# KiCad board panel.kicad_pcb (continued)
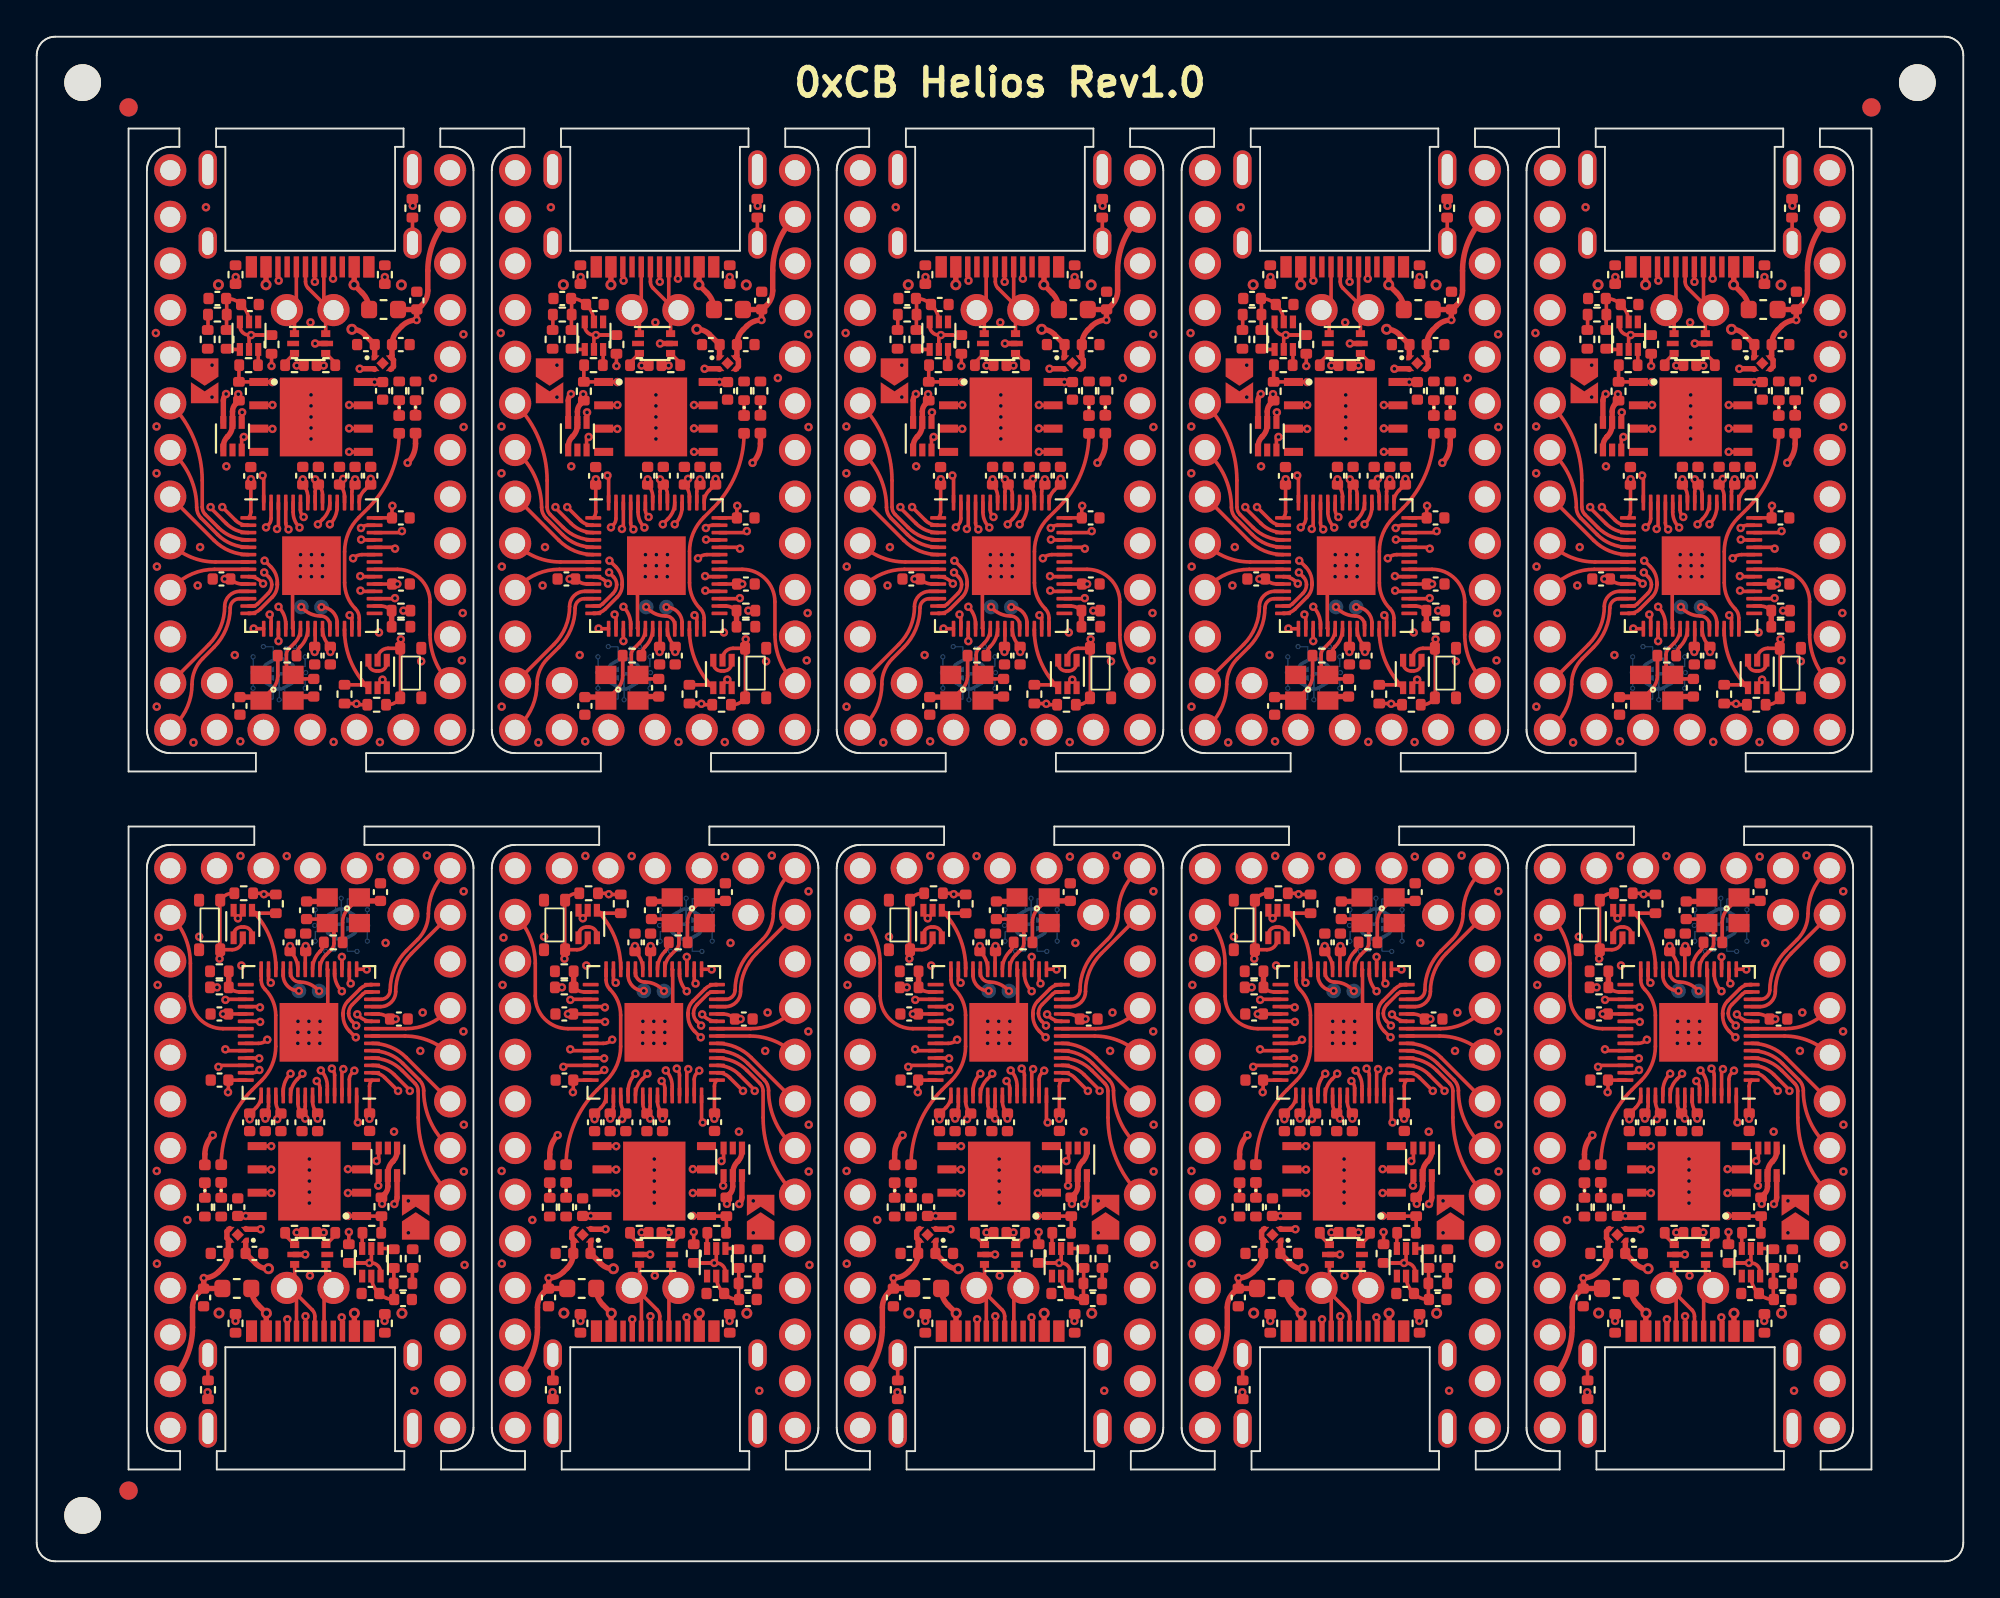
[diagram p0: board, top side]
## Routing (per net, layer and track width the routed paths; a pad name or vN(x,y) marks a point on that pad's centre or on a via; arc(x,y) is an arc through that point) (continued)
Board_9-Net-(J1-PadB5): length 3.7
  Top w0.2: v1(94.06,13.09) 94.08,13.1 R8#2.2 ; v1(91.73,13.29) 91.77,13.25 J1#2.B5
  In1.Cu w0.2: v1(94.06,13.09) 93.96,12.99 92.03,12.99 v1(91.73,13.29)
Board_9-Net-(Q1-Pad5): length 28.5
  Top w0.2: Q1#2.6 85.84,35.26 v1(86.08,35.02) 86.34,35.29 Q1#2.5 ; 92.59,16.25 93.34,16.25 arc(93.69,16.1) 93.84,15.75 Q2#9.6 ; 92.59,16.25 v1(93.23,16.25) 93.34,16.36 Q2#9.2 ; 92.59,16.25 R2#6.2
  In2.Cu w0.2: v1(86.08,35.02) 86.08,35.02 87.82,35.02 arc(90.23,34.02) 91.22,31.62 91.22,29.22 arc(91.34,28.64) 91.67,28.14 92.92,26.89 arc(93.57,25.92) 93.8,24.77 93.8,23.79 arc(93.71,23.32) 93.44,22.92 arc(93.22,22.59) 93.14,22.2 93.14,19.63 arc(93.19,19.4) 93.32,19.2 93.35,19.16 arc(93.46,19) 93.5,18.81 93.5,16.73 arc(93.46,16.54) 93.35,16.37 v1(93.23,16.25)
Board_9-Net-(Q2-Pad1): length 0.7
  Top w0.2: R4#2.1 94.53,17.04 Q2#9.1
Board_9-Net-(R5-Pad2): length 0.8
  Top w0.2: R5#7.2 95.58,15.96 95.59,15.98
Board_9-Net-(R14-Pad2): length 1.6
  Top w0.2: U4#2.21 arc(90.24,32.77) 90.54,33.21 90.56,33.23 arc(90.7,33.45) R14#9.2
Board_9-VBUS: length 28.7
  Top w0.2: v1(84.94,31.26) 84.56,31.26
  Top w0.3: J1#2.A4 87.61,13.5 v2(87.62,13.51) 87.18,13.96 arc(86.9,14.37) F1.1 ; v2(92.42,13.51) J1#2.A9
  In2.Cu w0.2: v2(87.62,13.51) arc(85.11,17.27) 84.23,21.7 84.23,29.56 arc(84.41,30.48) v1(84.94,31.26)
  In2.Cu w0.3: v2(92.42,13.51) arc(92.15,12.86) 91.5,12.59 88.54,12.59 arc(87.89,12.86) v2(87.62,13.51)

## Copper pours and planes (outline as drawn; the poured copper is in the pictures)
(no net) on Top: 104.88,82.24 104.86,82.33 104.82,82.42 104.78,82.51 104.73,82.6 104.67,82.67 104.61,82.75 104.53,82.81 104.46,82.87 104.37,82.92 104.28,82.96 104.19,83 104.1,83.02 104,83.04 103.9,83.04 1,83.04 0.9,83.04 0.8,83.02 0.71,83 0.62,82.96 0.53,82.92 0.44,82.87 0.37,82.81 0.29,82.75 0.23,82.67 0.17,82.6 0.12,82.51 0.08,82.42 0.04,82.33 0.02,82.24 0,82.14 0,82.04 0,1 0,0.9 0.02,0.8 0.04,0.71 0.08,0.62 0.12,0.53 0.17,0.44 0.23,0.37 0.29,0.29 0.37,0.23 0.44,0.17 0.53,0.12 0.62,0.08 0.71,0.04 0.8,0.02 0.9,0 1,0 103.9,0 104,0 104.1,0.02 104.19,0.04 104.28,0.08 104.37,0.12 104.46,0.17 104.53,0.23 104.61,0.29 104.67,0.37 104.73,0.44 104.78,0.53 104.82,0.62 104.86,0.71 104.88,0.8 104.9,0.9 104.9,1 104.9,82.04 104.9,82.14 ; 10 cut-outs
(no net) on Bottom: 104.88,82.24 104.86,82.33 104.82,82.42 104.78,82.51 104.73,82.6 104.67,82.67 104.61,82.75 104.53,82.81 104.46,82.87 104.37,82.92 104.28,82.96 104.19,83 104.1,83.02 104,83.04 103.9,83.04 1,83.04 0.9,83.04 0.8,83.02 0.71,83 0.62,82.96 0.53,82.92 0.44,82.87 0.37,82.81 0.29,82.75 0.23,82.67 0.17,82.6 0.12,82.51 0.08,82.42 0.04,82.33 0.02,82.24 0,82.14 0,82.04 0,1 0,0.9 0.02,0.8 0.04,0.71 0.08,0.62 0.12,0.53 0.17,0.44 0.23,0.37 0.29,0.29 0.37,0.23 0.44,0.17 0.53,0.12 0.62,0.08 0.71,0.04 0.8,0.02 0.9,0 1,0 103.9,0 104,0 104.1,0.02 104.19,0.04 104.28,0.08 104.37,0.12 104.46,0.17 104.53,0.23 104.61,0.29 104.67,0.37 104.73,0.44 104.78,0.53 104.82,0.62 104.86,0.71 104.88,0.8 104.9,0.9 104.9,1 104.9,82.04 104.9,82.14 ; 10 cut-outs
Board_0-+3V3 on In1.Cu, In2.Cu: 1.73,80.23 26.23,80.23 26.23,40.73 1.73,40.73
Board_0-+5V on Top: 21.7,71.71 21.78,71.88 21.87,72.01 21.96,72.11 22.07,72.17 22.18,72.22 22.3,72.26 22.43,72.29 22.57,72.32 22.72,72.37 22.88,72.44 22.79,73.57 21.66,73.43 21.62,73.23 21.6,73.07 21.59,72.92 21.59,72.78 21.59,72.65 21.58,72.51 21.57,72.37 21.54,72.21 21.5,72.03 21.42,71.82
Board_0-/0_TX0 on In1.Cu: 8.08,71.65 7.99,71.82 7.93,71.98 7.91,72.12 7.91,72.26 7.94,72.38 7.98,72.51 8.02,72.65 8.07,72.8 8.11,72.96 8.14,73.15 7.12,73.64 6.66,72.6 6.81,72.46 6.95,72.36 7.08,72.28 7.32,72.14 7.43,72.06 7.55,71.97 7.67,71.86 7.79,71.72 7.92,71.54
Board_0-/1_RX0 on In1.Cu: 8.27,69.24 8.21,69.45 8.18,69.64 8.16,69.8 8.16,69.95 8.16,70.08 8.17,70.22 8.18,70.36 8.18,70.51 8.16,70.68 8.13,70.88 7,71.03 6.89,69.9 7.05,69.83 7.2,69.79 7.35,69.75 7.49,69.72 7.61,69.69 7.73,69.64 7.83,69.57 7.93,69.48 8.01,69.35 8.08,69.17
Board_0-/2_SDA1 on Top: 8.4,61.71 8.3,61.91 8.24,62.08 8.21,62.24 8.19,62.38 8.19,62.51 8.19,62.64 8.19,62.78 8.18,62.93 8.16,63.1 8.12,63.3 6.98,63.4 6.92,62.27 7.09,62.2 7.25,62.16 7.4,62.13 7.54,62.11 7.67,62.09 7.79,62.05 7.9,61.99 8.01,61.91 8.12,61.78 8.22,61.62
Board_0-/3_SCL1 on Top: 8.41,59.18 8.33,59.38 8.27,59.56 8.23,59.71 8.21,59.85 8.21,59.99 8.2,60.12 8.2,60.26 8.19,60.4 8.16,60.57 8.11,60.76 6.98,60.86 6.93,59.72 7.1,59.66 7.26,59.62 7.41,59.6 7.55,59.58 7.69,59.56 7.81,59.53 7.93,59.47 8.04,59.39 8.14,59.26 8.23,59.09
Board_0-/4 on Top: 8.58,56.83 8.44,56.98 8.34,57.12 8.28,57.26 8.24,57.39 8.22,57.51 8.21,57.65 8.2,57.78 8.18,57.93 8.15,58.1 8.1,58.28 6.96,58.3 6.98,57.16 7.16,57.11 7.33,57.08 7.48,57.06 7.61,57.05 7.75,57.04 7.87,57.02 8,56.98 8.14,56.92 8.28,56.82 8.43,56.68
Board_0-/5 on Top: 8.79,54.66 8.62,54.73 8.49,54.81 8.39,54.9 8.32,55 8.28,55.12 8.24,55.24 8.21,55.38 8.17,55.52 8.12,55.68 8.06,55.84 6.92,55.72 7.09,54.59 7.29,54.56 7.46,54.54 7.61,54.54 7.75,54.55 7.88,54.56 8.02,54.57 8.17,54.57 8.33,54.56 8.52,54.53 8.74,54.47
Board_0-/6 on Top: 8.68,53.97 8.47,53.91 8.28,53.87 8.12,53.85 7.98,53.84 7.85,53.84 7.71,53.84 7.58,53.83 7.43,53.82 7.26,53.8 7.06,53.76 6.93,52.63 8.07,52.55 8.13,52.71 8.17,52.87 8.2,53.02 8.23,53.16 8.25,53.3 8.29,53.42 8.35,53.53 8.44,53.62 8.57,53.71 8.75,53.78
Board_0-/7 on In2.Cu: 8.96,50.76 8.77,50.7 8.61,50.69 8.48,50.7 8.35,50.74 8.24,50.8 8.13,50.87 8.02,50.95 7.89,51.03 7.75,51.11 7.58,51.19 6.83,50.33 7.72,49.62 7.88,49.72 8.02,49.83 8.13,49.93 8.22,50.03 8.32,50.13 8.41,50.22 8.52,50.31 8.66,50.4 8.82,50.49 9.03,50.57
Board_0-/8 on Top: 8.43,49.14 8.28,49 8.14,48.9 8,48.84 7.87,48.8 7.75,48.78 7.61,48.77 7.48,48.76 7.33,48.74 7.16,48.71 6.98,48.66 6.96,47.52 8.1,47.54 8.15,47.72 8.18,47.89 8.2,48.04 8.21,48.17 8.22,48.31 8.24,48.43 8.28,48.56 8.34,48.7 8.44,48.84 8.58,48.99
Board_0-/9 on Top: 8.18,46.75 8.1,46.57 8.01,46.45 7.91,46.36 7.8,46.3 7.67,46.26 7.54,46.24 7.4,46.22 7.25,46.19 7.09,46.15 6.92,46.09 6.99,44.96 8.12,45.07 8.16,45.26 8.19,45.43 8.2,45.58 8.21,45.72 8.21,45.85 8.21,45.98 8.23,46.13 8.25,46.29 8.3,46.47 8.37,46.68
Board_0-/10 on In2.Cu: 8.32,74.35 8.24,74.56 8.2,74.74 8.18,74.9 8.17,75.04 8.17,75.18 8.18,75.31 8.18,75.45 8.18,75.6 8.16,75.77 8.12,75.97 6.99,76.11 6.9,74.98 7.06,74.91 7.22,74.86 7.37,74.83 7.5,74.8 7.63,74.77 7.75,74.73 7.86,74.67 7.96,74.57 8.05,74.45 8.13,74.27
Board_0-/11 on In1.Cu: 21.66,74.27 21.74,74.44 21.83,74.57 21.93,74.66 22.03,74.73 22.15,74.77 22.28,74.8 22.42,74.83 22.56,74.86 22.72,74.91 22.88,74.98 22.79,76.11 21.66,75.97 21.62,75.77 21.6,75.6 21.6,75.45 21.6,75.31 21.61,75.18 21.61,75.04 21.61,74.9 21.59,74.74 21.54,74.55 21.47,74.34
Board_0-/12 on In1.Cu: 10.79,46.73 10.68,46.56 10.57,46.44 10.46,46.36 10.34,46.31 10.22,46.27 10.09,46.25 9.95,46.23 9.8,46.2 9.64,46.16 9.47,46.1 9.52,44.96 10.65,45.06 10.7,45.25 10.72,45.42 10.73,45.57 10.73,45.84 10.74,45.97 10.76,46.11 10.8,46.26 10.86,46.43 10.97,46.63
Board_0-/13 on In1.Cu: 12.25,47.04 12.24,46.83 12.21,46.66 12.16,46.52 12.09,46.4 12.02,46.3 11.93,46.2 11.84,46.09 11.75,45.97 11.65,45.84 11.56,45.67 12.35,44.85 13.14,45.67 13.05,45.84 12.95,45.97 12.86,46.09 12.77,46.2 12.68,46.3 12.61,46.4 12.54,46.52 12.49,46.66 12.46,46.83 12.45,47.04
Board_0-/14 on In1.Cu: 13.76,46.65 13.86,46.45 13.92,46.28 13.95,46.12 13.97,45.98 13.98,45.85 13.97,45.72 13.97,45.58 13.98,45.43 14,45.26 14.04,45.06 15.18,44.96 15.24,46.09 15.07,46.16 14.91,46.2 14.76,46.23 14.62,46.25 14.49,46.27 14.37,46.31 14.26,46.37 14.15,46.45 14.04,46.58 13.94,46.74
Board_0-/15 on In1.Cu: 16.12,46.45 16.26,46.3 16.36,46.16 16.42,46.02 16.46,45.89 16.48,45.77 16.49,45.63 16.5,45.5 16.52,45.35 16.55,45.18 16.6,45 17.74,44.98 17.72,46.12 17.54,46.17 17.37,46.2 17.22,46.22 17.09,46.23 16.95,46.24 16.83,46.26 16.7,46.3 16.56,46.36 16.42,46.46 16.27,46.6
Board_0-/16 on In1.Cu: 18.68,46.51 18.81,46.34 18.9,46.18 18.96,46.04 18.99,45.9 19.01,45.77 19.02,45.64 19.03,45.5 19.05,45.36 19.09,45.19 19.14,45 20.28,44.98 20.26,46.12 20.08,46.17 19.91,46.2 19.76,46.21 19.62,46.22 19.49,46.24 19.36,46.26 19.23,46.3 19.11,46.37 18.98,46.48 18.84,46.63
Board_0-/20_SDI on In1.Cu: 21.2,51.53 21.34,51.38 21.44,51.24 21.5,51.1 21.54,50.97 21.56,50.85 21.57,50.71 21.58,50.58 21.6,50.43 21.63,50.26 21.68,50.08 22.82,50.06 22.8,51.2 22.62,51.25 22.45,51.28 22.3,51.3 22.17,51.31 22.03,51.32 21.91,51.34 21.78,51.38 21.64,51.44 21.5,51.54 21.35,51.68
Board_0-/21_CS on In1.Cu: 21.2,46.45 21.34,46.3 21.44,46.16 21.5,46.02 21.54,45.89 21.56,45.77 21.57,45.63 21.58,45.5 21.6,45.35 21.63,45.18 21.68,45 22.82,44.98 22.8,46.12 22.62,46.17 22.45,46.2 22.3,46.22 22.17,46.23 22.03,46.24 21.91,46.26 21.78,46.3 21.64,46.36 21.5,46.46 21.35,46.6
Board_0-/22_SCK on In1.Cu: 20.95,53.58 21.13,53.54 21.26,53.48 21.36,53.4 21.43,53.31 21.49,53.2 21.53,53.08 21.57,52.94 21.61,52.8 21.67,52.65 21.74,52.49 22.87,52.65 22.63,53.78 22.43,53.8 22.26,53.81 22.11,53.8 21.97,53.79 21.7,53.76 21.56,53.75 21.39,53.74 21.2,53.75 20.98,53.78
Board_0-/23_SDO on Top: 21.5,49.28 21.57,49.07 21.6,48.88 21.62,48.72 21.62,48.57 21.62,48.44 21.61,48.3 21.6,48.16 21.6,48.01 21.62,47.84 21.65,47.64 22.78,47.49 22.89,48.62 22.73,48.69 22.57,48.73 22.43,48.77 22.29,48.8 22.17,48.83 22.05,48.88 21.94,48.95 21.85,49.04 21.77,49.17 21.69,49.34
Board_0-/A0 on In1.Cu: 20.8,55.06 21.03,55.04 21.22,55.01 21.38,54.97 21.52,54.91 21.64,54.85 21.77,54.78 21.9,54.72 22.04,54.66 22.21,54.61 22.41,54.58 22.92,55.6 21.89,56.07 21.77,55.94 21.68,55.82 21.52,55.6 21.44,55.5 21.35,55.42 21.25,55.35 21.13,55.3 20.99,55.27 20.8,55.26
Board_0-/A1 on In1.Cu: 21.35,56.68 21.5,56.82 21.64,56.92 21.78,56.98 21.91,57.02 22.03,57.04 22.17,57.05 22.3,57.06 22.45,57.08 22.62,57.11 22.8,57.16 22.82,58.3 21.68,58.28 21.63,58.1 21.6,57.93 21.58,57.78 21.57,57.65 21.56,57.51 21.54,57.39 21.5,57.26 21.44,57.12 21.34,56.98 21.2,56.83
Board_0-/A2 on In1.Cu: 21.35,59.22 21.5,59.36 21.64,59.46 21.78,59.52 21.91,59.56 22.03,59.58 22.17,59.59 22.3,59.6 22.45,59.62 22.62,59.65 22.8,59.7 22.82,60.84 21.68,60.82 21.63,60.64 21.6,60.47 21.58,60.32 21.57,60.19 21.56,60.05 21.54,59.93 21.5,59.8 21.44,59.66 21.34,59.52 21.2,59.37
Board_0-/A3 on In1.Cu: 21.36,61.42 21.41,61.64 21.49,61.8 21.59,61.91 21.71,61.99 21.86,62.05 22.02,62.08 22.2,62.11 22.39,62.14 22.59,62.18 22.8,62.24 22.82,63.38 21.64,63.19 21.6,62.98 21.56,62.79 21.51,62.64 21.46,62.49 21.41,62.36 21.35,62.22 21.3,62.07 21.25,61.9 21.2,61.69 21.16,61.45
Board_0-/PORT+ on Top: 14.14,66.87 14.14,67 14.15,67.12 14.17,67.22 14.2,67.32 14.23,67.4 14.26,67.48 14.3,67.55 14.4,67.75 13.41,68.54 13.52,67.28 13.57,67.27 13.62,67.26 13.68,67.24 13.73,67.21 13.78,67.18 13.83,67.13 13.87,67.08 13.91,67.02 13.93,66.95 13.93,66.87
Board_0-/PORT+ on Top: 14.04,69.74 14.02,69.58 13.99,69.46 13.94,69.35 13.87,69.27 13.79,69.2 13.69,69.15 13.58,69.1 13.46,69.04 13.34,68.99 13.2,68.92 13.36,67.79 14.5,68.15 14.49,68.35 14.47,68.51 14.44,68.66 14.4,68.79 14.37,68.91 14.33,69.04 14.29,69.18 14.26,69.33 14.24,69.52 14.23,69.74
Board_0-/PORT+ on In1.Cu: 14.87,69.38 14.72,69.24 14.58,69.15 14.45,69.09 14.33,69.06 14.2,69.05 14.07,69.05 13.94,69.05 13.79,69.05 13.63,69.04 13.44,69.01 13.27,67.88 14.4,67.76 14.48,67.94 14.53,68.1 14.57,68.25 14.62,68.52 14.65,68.65 14.69,68.79 14.76,68.93 14.87,69.07 15.01,69.24
Board_0-/PORT- on Top: 15.54,69.73 15.53,69.51 15.51,69.33 15.48,69.17 15.45,69.03 15.41,68.91 15.37,68.78 15.34,68.65 15.31,68.51 15.29,68.35 15.28,68.15 16.42,67.8 16.56,68.93 16.43,68.99 16.3,69.05 16.18,69.1 16.08,69.15 15.98,69.2 15.9,69.27 15.83,69.35 15.78,69.45 15.75,69.57 15.73,69.73
Board_0-/PORT- on Top: 15.84,66.87 15.84,66.95 15.86,67.02 15.9,67.08 15.94,67.13 15.99,67.18 16.04,67.21 16.1,67.24 16.15,67.26 16.2,67.27 16.25,67.28 16.37,68.53 15.38,67.76 15.48,67.56 15.51,67.49 15.55,67.41 15.57,67.32 15.6,67.22 15.62,67.12 15.63,67 15.64,66.87
Board_0-/PORT- on Top: 14.76,69.22 14.91,69.06 15.01,68.91 15.08,68.77 15.13,68.64 15.16,68.51 15.21,68.23 15.25,68.08 15.3,67.92 15.38,67.74 16.51,67.89 16.32,69.01 16.14,69.04 15.98,69.04 15.83,69.04 15.7,69.04 15.57,69.04 15.44,69.05 15.32,69.08 15.19,69.14 15.05,69.23 14.9,69.36
Board_0-/RESET on In2.Cu: 21.59,66.68 21.68,66.85 21.78,66.98 21.89,67.06 22,67.12 22.12,67.16 22.25,67.19 22.39,67.21 22.54,67.24 22.7,67.28 22.87,67.35 22.79,68.48 21.66,68.37 21.62,68.17 21.6,68 21.59,67.85 21.6,67.71 21.6,67.58 21.6,67.45 21.58,67.3 21.55,67.15 21.49,66.97 21.41,66.77
Board_0-/RGB_5V on In2.Cu: 10.1,49.57 10,49.37 9.9,49.21 9.8,49.09 9.7,48.98 9.6,48.89 9.5,48.8 9.4,48.7 9.29,48.59 9.19,48.46 9.07,48.29 9.77,47.39 10.64,48.12 10.57,48.29 10.49,48.43 10.41,48.56 10.34,48.68 10.27,48.79 10.22,48.9 10.19,49.02 10.18,49.16 10.21,49.31 10.28,49.49
Board_0-GND on Top, Bottom: 2.73,81.23 27.23,81.23 27.23,41.73 2.73,41.73
Board_0-Net-(C8-Pad2) on Top: 11.24,46.92 11.34,46.92 11.42,46.9 11.49,46.88 11.55,46.85 11.6,46.82 11.64,46.77 11.69,46.72 11.78,46.61 11.84,46.54 12.44,46.79 12.18,47.38 12.06,47.37 11.97,47.35 11.88,47.33 11.81,47.31 11.73,47.29 11.66,47.27 11.57,47.25 11.48,47.23 11.37,47.22 11.24,47.22
Board_0-Net-(C8-Pad2) on Top: 12.97,47.93 12.92,47.79 12.85,47.69 12.78,47.61 12.7,47.55 12.61,47.51 12.52,47.47 12.41,47.45 12.3,47.42 12.18,47.39 12.05,47.35 12.03,46.7 12.68,46.72 12.73,46.86 12.78,46.98 12.83,47.08 12.87,47.18 12.96,47.36 13,47.46 13.05,47.57 13.11,47.7 13.16,47.87
Board_0-Net-(FB1-Pad1) on Top: 20.36,72.79 20.35,72.68 20.34,72.58 20.31,72.5 20.28,72.43 20.25,72.37 20.2,72.31 20.16,72.25 20.11,72.19 20.06,72.11 20.01,72.02 20.46,71.55 20.91,72.02 20.86,72.11 20.81,72.19 20.76,72.25 20.72,72.31 20.67,72.37 20.64,72.43 20.61,72.5 20.58,72.58 20.57,72.68 20.56,72.79
Board_1-+3V3 on In1.Cu, In2.Cu: 20.51,80.23 45.01,80.23 45.01,40.73 20.51,40.73
Board_1-+5V on Top: 40.48,71.71 40.56,71.88 40.65,72.01 40.74,72.11 40.85,72.17 40.96,72.22 41.08,72.26 41.21,72.29 41.35,72.32 41.5,72.37 41.66,72.44 41.57,73.57 40.44,73.43 40.4,73.23 40.38,73.07 40.37,72.92 40.37,72.78 40.37,72.65 40.36,72.51 40.35,72.37 40.32,72.21 40.28,72.03 40.2,71.82
Board_1-/0_TX0 on In1.Cu: 26.86,71.65 26.77,71.82 26.71,71.98 26.69,72.12 26.69,72.26 26.72,72.38 26.76,72.51 26.8,72.65 26.85,72.8 26.89,72.96 26.92,73.15 25.9,73.64 25.44,72.6 25.59,72.46 25.73,72.36 25.86,72.28 26.1,72.14 26.21,72.06 26.33,71.97 26.45,71.86 26.57,71.72 26.7,71.54
Board_1-/1_RX0 on In1.Cu: 27.05,69.24 26.99,69.45 26.96,69.64 26.94,69.8 26.94,69.95 26.94,70.08 26.95,70.22 26.96,70.36 26.96,70.51 26.94,70.68 26.91,70.88 25.78,71.03 25.67,69.9 25.83,69.83 25.98,69.79 26.13,69.75 26.27,69.72 26.39,69.69 26.51,69.64 26.61,69.57 26.71,69.48 26.79,69.35 26.86,69.17
Board_1-/2_SDA1 on Top: 27.18,61.71 27.08,61.91 27.02,62.08 26.99,62.24 26.97,62.38 26.97,62.51 26.97,62.64 26.97,62.78 26.96,62.93 26.94,63.1 26.9,63.3 25.76,63.4 25.7,62.27 25.87,62.2 26.03,62.16 26.18,62.13 26.32,62.11 26.45,62.09 26.57,62.05 26.68,61.99 26.79,61.91 26.9,61.78 27,61.62
Board_1-/3_SCL1 on Top: 27.19,59.18 27.11,59.38 27.05,59.56 27.01,59.71 26.99,59.85 26.99,59.99 26.98,60.12 26.98,60.26 26.97,60.4 26.94,60.57 26.89,60.76 25.76,60.86 25.71,59.72 25.88,59.66 26.04,59.62 26.19,59.6 26.33,59.58 26.47,59.56 26.59,59.53 26.71,59.47 26.82,59.39 26.92,59.26 27.01,59.09
Board_1-/4 on Top: 27.36,56.83 27.22,56.98 27.12,57.12 27.06,57.26 27.02,57.39 27,57.51 26.99,57.65 26.98,57.78 26.96,57.93 26.93,58.1 26.88,58.28 25.74,58.3 25.76,57.16 25.94,57.11 26.11,57.08 26.26,57.06 26.39,57.05 26.53,57.04 26.65,57.02 26.78,56.98 26.92,56.92 27.06,56.82 27.21,56.68
Board_1-/5 on Top: 27.57,54.66 27.4,54.73 27.27,54.81 27.17,54.9 27.1,55 27.06,55.12 27.02,55.24 26.99,55.38 26.95,55.52 26.9,55.68 26.84,55.84 25.7,55.72 25.87,54.59 26.07,54.56 26.24,54.54 26.39,54.54 26.53,54.55 26.66,54.56 26.8,54.57 26.95,54.57 27.11,54.56 27.3,54.53 27.52,54.47
Board_1-/6 on Top: 27.46,53.97 27.25,53.91 27.06,53.87 26.9,53.85 26.76,53.84 26.63,53.84 26.49,53.84 26.36,53.83 26.21,53.82 26.04,53.8 25.84,53.76 25.71,52.63 26.85,52.55 26.91,52.71 26.95,52.87 26.98,53.02 27.01,53.16 27.03,53.3 27.07,53.42 27.13,53.53 27.22,53.62 27.35,53.71 27.53,53.78
Board_1-/7 on In2.Cu: 27.74,50.76 27.55,50.7 27.39,50.69 27.26,50.7 27.13,50.74 27.02,50.8 26.91,50.87 26.8,50.95 26.67,51.03 26.53,51.11 26.36,51.19 25.61,50.33 26.5,49.62 26.66,49.72 26.8,49.83 26.91,49.93 27,50.03 27.1,50.13 27.19,50.22 27.3,50.31 27.44,50.4 27.6,50.49 27.81,50.57
Board_1-/8 on Top: 27.21,49.14 27.06,49 26.92,48.9 26.78,48.84 26.65,48.8 26.53,48.78 26.39,48.77 26.26,48.76 26.11,48.74 25.94,48.71 25.76,48.66 25.74,47.52 26.88,47.54 26.93,47.72 26.96,47.89 26.98,48.04 26.99,48.17 27,48.31 27.02,48.43 27.06,48.56 27.12,48.7 27.22,48.84 27.36,48.99
Board_1-/9 on Top: 26.96,46.75 26.88,46.57 26.79,46.45 26.69,46.36 26.58,46.3 26.45,46.26 26.32,46.24 26.18,46.22 26.03,46.19 25.87,46.15 25.7,46.09 25.77,44.96 26.9,45.07 26.94,45.26 26.97,45.43 26.98,45.58 26.99,45.72 26.99,45.85 26.99,45.98 27.01,46.13 27.03,46.29 27.08,46.47 27.15,46.68
Board_1-/10 on In2.Cu: 27.1,74.35 27.02,74.56 26.98,74.74 26.96,74.9 26.95,75.04 26.95,75.18 26.96,75.31 26.96,75.45 26.96,75.6 26.94,75.77 26.9,75.97 25.77,76.11 25.68,74.98 25.84,74.91 26,74.86 26.15,74.83 26.28,74.8 26.41,74.77 26.53,74.73 26.64,74.67 26.74,74.57 26.83,74.45 26.91,74.27
Board_1-/11 on In1.Cu: 40.44,74.27 40.52,74.44 40.61,74.57 40.71,74.66 40.81,74.73 40.93,74.77 41.06,74.8 41.2,74.83 41.34,74.86 41.5,74.91 41.66,74.98 41.57,76.11 40.44,75.97 40.4,75.77 40.38,75.6 40.38,75.45 40.38,75.31 40.39,75.18 40.39,75.04 40.39,74.9 40.37,74.74 40.32,74.55 40.25,74.34
Board_1-/12 on In1.Cu: 29.57,46.73 29.46,46.56 29.35,46.44 29.24,46.36 29.12,46.31 29,46.27 28.87,46.25 28.73,46.23 28.58,46.2 28.42,46.16 28.25,46.1 28.3,44.96 29.43,45.06 29.48,45.25 29.5,45.42 29.51,45.57 29.51,45.84 29.52,45.97 29.54,46.11 29.58,46.26 29.64,46.43 29.75,46.63
Board_1-/13 on In1.Cu: 31.03,47.04 31.02,46.83 30.99,46.66 30.94,46.52 30.87,46.4 30.8,46.3 30.71,46.2 30.62,46.09 30.53,45.97 30.43,45.84 30.34,45.67 31.13,44.85 31.92,45.67 31.83,45.84 31.73,45.97 31.64,46.09 31.55,46.2 31.46,46.3 31.39,46.4 31.32,46.52 31.27,46.66 31.24,46.83 31.23,47.04
Board_1-/14 on In1.Cu: 32.54,46.65 32.64,46.45 32.7,46.28 32.73,46.12 32.75,45.98 32.76,45.85 32.75,45.72 32.75,45.58 32.76,45.43 32.78,45.26 32.82,45.06 33.96,44.96 34.02,46.09 33.85,46.16 33.69,46.2 33.54,46.23 33.4,46.25 33.27,46.27 33.15,46.31 33.04,46.37 32.93,46.45 32.82,46.58 32.72,46.74
Board_1-/15 on In1.Cu: 34.9,46.45 35.04,46.3 35.14,46.16 35.2,46.02 35.24,45.89 35.26,45.77 35.27,45.63 35.28,45.5 35.3,45.35 35.33,45.18 35.38,45 36.52,44.98 36.5,46.12 36.32,46.17 36.15,46.2 36,46.22 35.87,46.23 35.73,46.24 35.61,46.26 35.48,46.3 35.34,46.36 35.2,46.46 35.05,46.6
Board_1-/16 on In1.Cu: 37.46,46.51 37.59,46.34 37.68,46.18 37.74,46.04 37.77,45.9 37.79,45.77 37.8,45.64 37.81,45.5 37.83,45.36 37.87,45.19 37.92,45 39.06,44.98 39.04,46.12 38.86,46.17 38.69,46.2 38.54,46.21 38.4,46.22 38.27,46.24 38.14,46.26 38.01,46.3 37.89,46.37 37.76,46.48 37.62,46.63
Board_1-/20_SDI on In1.Cu: 39.98,51.53 40.12,51.38 40.22,51.24 40.28,51.1 40.32,50.97 40.34,50.85 40.35,50.71 40.36,50.58 40.38,50.43 40.41,50.26 40.46,50.08 41.6,50.06 41.58,51.2 41.4,51.25 41.23,51.28 41.08,51.3 40.95,51.31 40.81,51.32 40.69,51.34 40.56,51.38 40.42,51.44 40.28,51.54 40.13,51.68
Board_1-/21_CS on In1.Cu: 39.98,46.45 40.12,46.3 40.22,46.16 40.28,46.02 40.32,45.89 40.34,45.77 40.35,45.63 40.36,45.5 40.38,45.35 40.41,45.18 40.46,45 41.6,44.98 41.58,46.12 41.4,46.17 41.23,46.2 41.08,46.22 40.95,46.23 40.81,46.24 40.69,46.26 40.56,46.3 40.42,46.36 40.28,46.46 40.13,46.6
Board_1-/22_SCK on In1.Cu: 39.73,53.58 39.91,53.54 40.04,53.48 40.14,53.4 40.21,53.31 40.27,53.2 40.31,53.08 40.35,52.94 40.39,52.8 40.45,52.65 40.52,52.49 41.65,52.65 41.41,53.78 41.21,53.8 41.04,53.81 40.89,53.8 40.75,53.79 40.48,53.76 40.34,53.75 40.17,53.74 39.98,53.75 39.76,53.78
Board_1-/23_SDO on Top: 40.28,49.28 40.35,49.07 40.38,48.88 40.4,48.72 40.4,48.57 40.4,48.44 40.39,48.3 40.38,48.16 40.38,48.01 40.4,47.84 40.43,47.64 41.56,47.49 41.67,48.62 41.51,48.69 41.35,48.73 41.21,48.77 41.07,48.8 40.95,48.83 40.83,48.88 40.72,48.95 40.63,49.04 40.55,49.17 40.47,49.34
Board_1-/A0 on In1.Cu: 39.58,55.06 39.81,55.04 40,55.01 40.16,54.97 40.3,54.91 40.42,54.85 40.55,54.78 40.68,54.72 40.82,54.66 40.99,54.61 41.19,54.58 41.7,55.6 40.67,56.07 40.55,55.94 40.46,55.82 40.3,55.6 40.22,55.5 40.13,55.42 40.03,55.35 39.91,55.3 39.77,55.27 39.58,55.26
Board_1-/A1 on In1.Cu: 40.13,56.68 40.28,56.82 40.42,56.92 40.56,56.98 40.69,57.02 40.81,57.04 40.95,57.05 41.08,57.06 41.23,57.08 41.4,57.11 41.58,57.16 41.6,58.3 40.46,58.28 40.41,58.1 40.38,57.93 40.36,57.78 40.35,57.65 40.34,57.51 40.32,57.39 40.28,57.26 40.22,57.12 40.12,56.98 39.98,56.83
Board_1-/A2 on In1.Cu: 40.13,59.22 40.28,59.36 40.42,59.46 40.56,59.52 40.69,59.56 40.81,59.58 40.95,59.59 41.08,59.6 41.23,59.62 41.4,59.65 41.58,59.7 41.6,60.84 40.46,60.82 40.41,60.64 40.38,60.47 40.36,60.32 40.35,60.19 40.34,60.05 40.32,59.93 40.28,59.8 40.22,59.66 40.12,59.52 39.98,59.37
Board_1-/A3 on In1.Cu: 40.14,61.42 40.19,61.64 40.27,61.8 40.37,61.91 40.49,61.99 40.64,62.05 40.8,62.08 40.98,62.11 41.17,62.14 41.37,62.18 41.58,62.24 41.6,63.38 40.42,63.19 40.38,62.98 40.34,62.79 40.29,62.64 40.24,62.49 40.19,62.36 40.13,62.22 40.08,62.07 40.03,61.9 39.98,61.69 39.94,61.45
Board_1-/PORT+ on Top: 32.81,69.74 32.8,69.58 32.77,69.46 32.72,69.35 32.65,69.27 32.57,69.2 32.47,69.15 32.36,69.1 32.24,69.04 32.12,68.99 31.98,68.92 32.14,67.79 33.28,68.15 33.27,68.35 33.25,68.51 33.22,68.66 33.18,68.79 33.15,68.91 33.11,69.04 33.07,69.18 33.04,69.33 33.02,69.52 33.02,69.74
Board_1-/PORT+ on Top: 32.91,66.87 32.92,67 32.93,67.12 32.95,67.22 32.98,67.32 33.01,67.4 33.04,67.48 33.08,67.55 33.18,67.75 32.19,68.54 32.3,67.28 32.35,67.27 32.4,67.26 32.46,67.24 32.51,67.21 32.56,67.18 32.61,67.13 32.65,67.08 32.69,67.02 32.71,66.95 32.72,66.87
Board_1-/PORT+ on In1.Cu: 33.65,69.38 33.5,69.24 33.36,69.15 33.23,69.09 33.11,69.06 32.98,69.05 32.85,69.05 32.72,69.05 32.57,69.05 32.41,69.04 32.22,69.01 32.05,67.88 33.18,67.76 33.26,67.94 33.31,68.1 33.35,68.25 33.4,68.52 33.43,68.65 33.47,68.79 33.54,68.93 33.65,69.07 33.79,69.24
Board_1-/PORT- on Top: 33.54,69.22 33.69,69.06 33.79,68.91 33.86,68.77 33.91,68.64 33.94,68.51 33.99,68.23 34.03,68.08 34.08,67.92 34.16,67.74 35.29,67.89 35.1,69.01 34.92,69.04 34.76,69.04 34.61,69.04 34.48,69.04 34.35,69.04 34.22,69.05 34.1,69.08 33.97,69.14 33.83,69.23 33.68,69.36
Board_1-/PORT- on Top: 34.62,66.87 34.62,66.95 34.64,67.02 34.68,67.08 34.72,67.13 34.77,67.18 34.82,67.21 34.88,67.24 34.93,67.26 34.98,67.27 35.03,67.28 35.15,68.53 34.16,67.76 34.26,67.56 34.29,67.49 34.33,67.41 34.35,67.32 34.38,67.22 34.4,67.12 34.41,67 34.41,66.87
Board_1-/PORT- on Top: 34.31,69.73 34.31,69.51 34.29,69.33 34.26,69.17 34.23,69.03 34.19,68.91 34.15,68.78 34.12,68.65 34.09,68.51 34.07,68.35 34.06,68.15 35.2,67.8 35.34,68.93 35.21,68.99 35.08,69.05 34.96,69.1 34.86,69.15 34.76,69.2 34.68,69.27 34.61,69.35 34.56,69.45 34.53,69.57 34.52,69.73
Board_1-/RESET on In2.Cu: 40.37,66.68 40.46,66.85 40.56,66.98 40.67,67.06 40.78,67.12 40.9,67.16 41.03,67.19 41.17,67.21 41.32,67.24 41.48,67.28 41.65,67.35 41.57,68.48 40.44,68.37 40.4,68.17 40.38,68 40.37,67.85 40.38,67.71 40.38,67.58 40.38,67.45 40.36,67.3 40.33,67.15 40.27,66.97 40.19,66.77
Board_1-/RGB_5V on In2.Cu: 28.88,49.57 28.78,49.37 28.68,49.21 28.58,49.09 28.48,48.98 28.38,48.89 28.28,48.8 28.18,48.7 28.07,48.59 27.97,48.46 27.85,48.29 28.55,47.39 29.42,48.12 29.35,48.29 29.27,48.43 29.19,48.56 29.12,48.68 29.05,48.79 29,48.9 28.97,49.02 28.96,49.16 28.99,49.31 29.06,49.49
Board_1-GND on Top, Bottom: 21.51,81.23 46.01,81.23 46.01,41.73 21.51,41.73
Board_1-Net-(C8-Pad2) on Top: 30.02,46.92 30.12,46.92 30.2,46.9 30.27,46.88 30.33,46.85 30.38,46.82 30.42,46.77 30.47,46.72 30.56,46.61 30.62,46.54 31.22,46.79 30.96,47.38 30.84,47.37 30.75,47.35 30.66,47.33 30.59,47.31 30.51,47.29 30.44,47.27 30.35,47.25 30.26,47.23 30.15,47.22 30.02,47.22
Board_1-Net-(C8-Pad2) on Top: 31.75,47.93 31.7,47.79 31.63,47.69 31.56,47.61 31.48,47.55 31.39,47.51 31.3,47.47 31.19,47.45 31.08,47.42 30.96,47.39 30.83,47.35 30.81,46.7 31.46,46.72 31.51,46.86 31.56,46.98 31.61,47.08 31.65,47.18 31.74,47.36 31.78,47.46 31.83,47.57 31.89,47.7 31.94,47.87
Board_1-Net-(FB1-Pad1) on Top: 39.14,72.79 39.13,72.68 39.12,72.58 39.09,72.5 39.06,72.43 39.03,72.37 38.98,72.31 38.94,72.25 38.89,72.19 38.84,72.11 38.79,72.02 39.24,71.55 39.69,72.02 39.64,72.11 39.59,72.19 39.54,72.25 39.5,72.31 39.45,72.37 39.42,72.43 39.39,72.5 39.36,72.58 39.35,72.68 39.34,72.79
Board_2-+3V3 on In1.Cu, In2.Cu: 39.28,80.23 63.78,80.23 63.78,40.73 39.28,40.73
Board_2-+5V on Top: 59.26,71.71 59.34,71.88 59.43,72.01 59.52,72.11 59.63,72.17 59.74,72.22 59.86,72.26 59.99,72.29 60.13,72.32 60.28,72.37 60.44,72.44 60.35,73.57 59.22,73.43 59.18,73.23 59.16,73.07 59.15,72.92 59.15,72.78 59.15,72.65 59.14,72.51 59.13,72.37 59.1,72.21 59.06,72.03 58.98,71.82
